# Altium PCB PCB_Kasli.PCBDOC (part 14 of 16)
Units mm, origin at the board's own origin, x right, y up, seen from the top; angles counter-clockwise.
Board outline 200.3 x 100 mm, 6 copper layers (TopLayer, MidLayer1, MidLayer2, SignalLayer1, Internal Plane 1, BottomLayer), stack 1.528 mm thick; 775 components, 636 nets, 3136 pads, 1724 vias.
Unrouted connection lines stored in the file: 7.
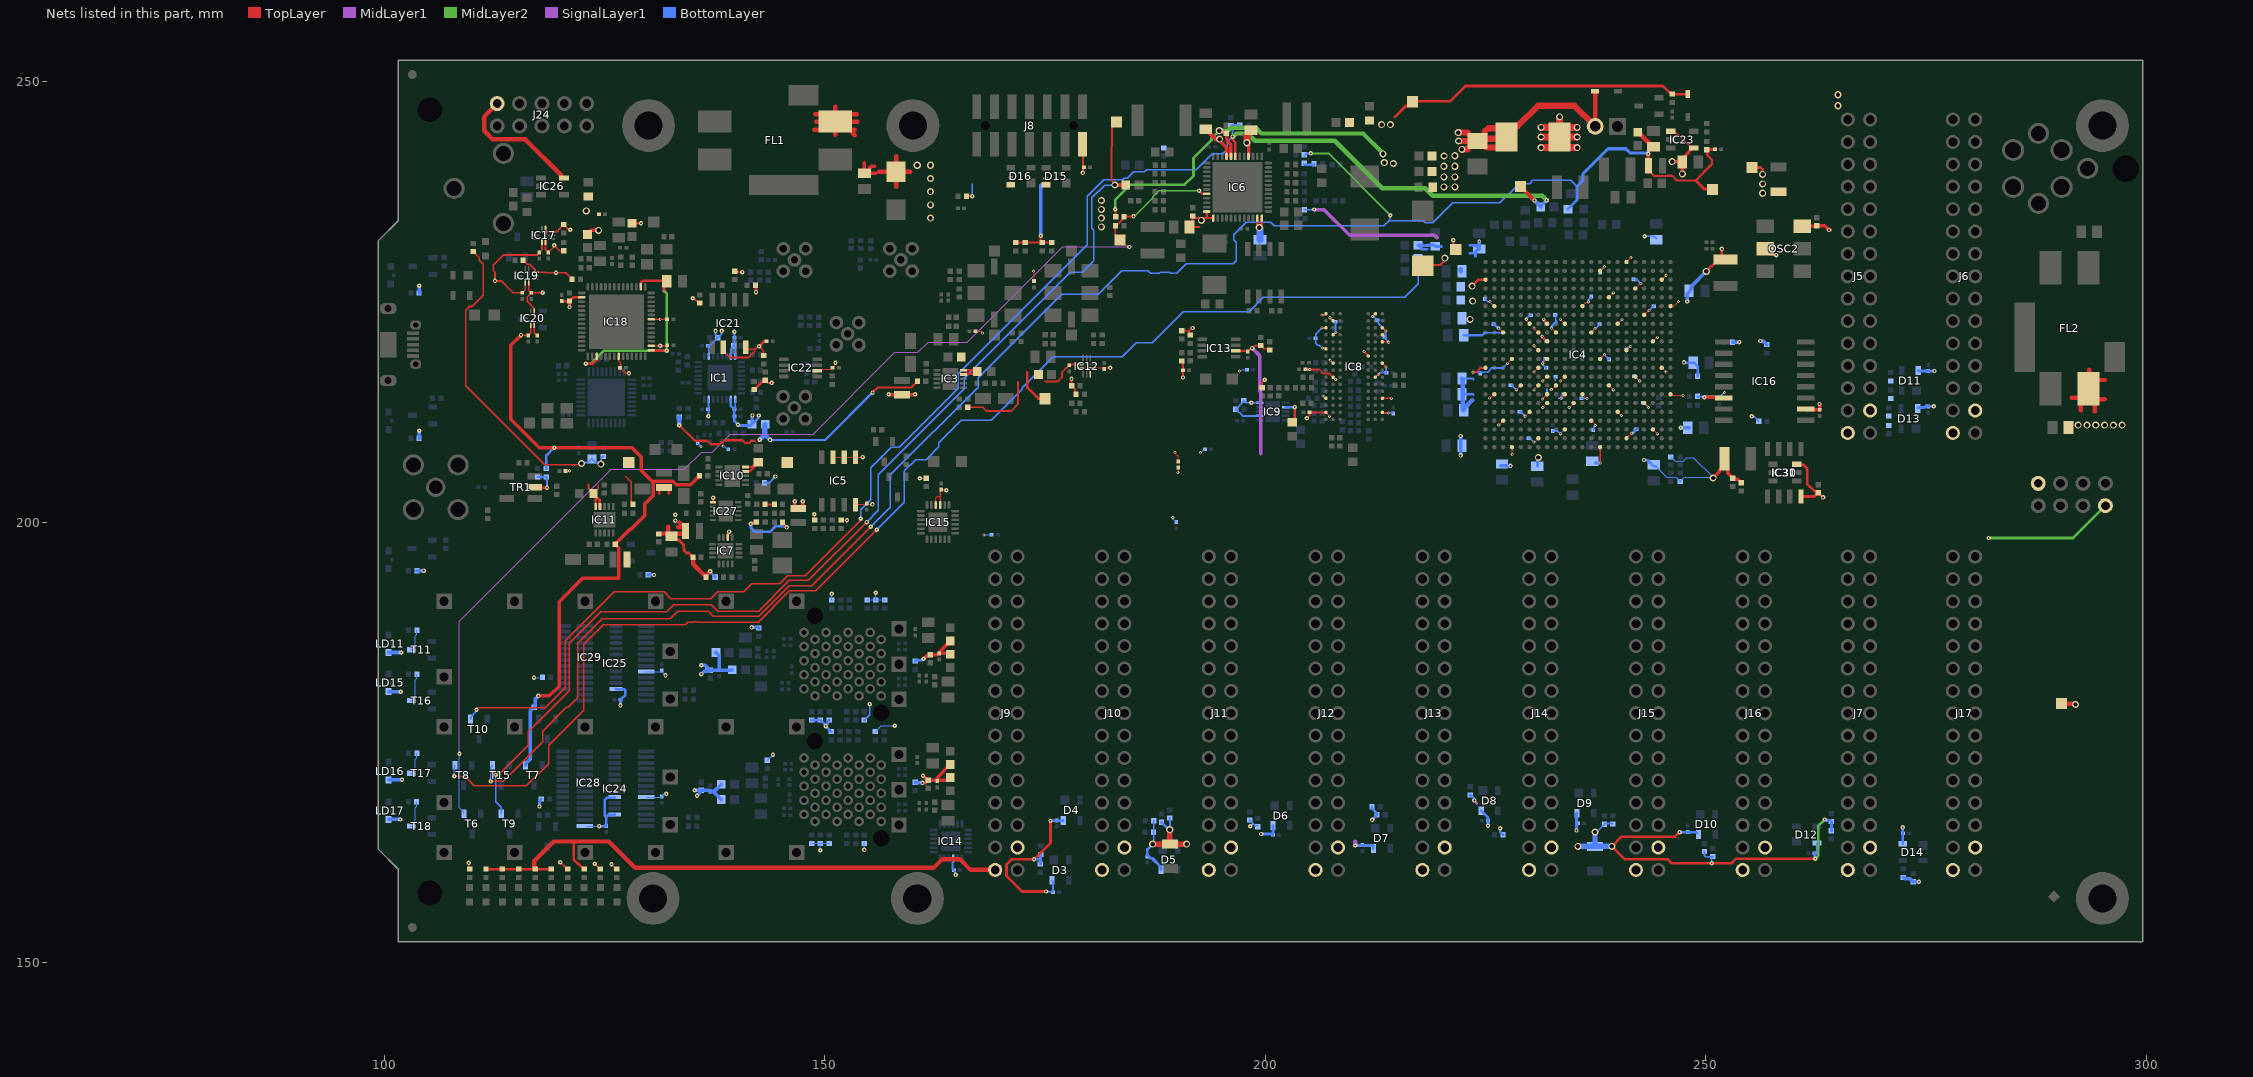
[diagram p18: the nets of this part, all layers, seen from the top]

## Via types
v1: diameter 0.5, hole 0.2, TopLayer to BottomLayer, tented both sides, 845 vias
v2: diameter 0.35, hole 0.15, TopLayer to BottomLayer, tented both sides, 612 vias
v3: diameter 0.8, hole 0.5, TopLayer to BottomLayer, tented both sides, 144 vias
v4: diameter 0.8, hole 0.5, TopLayer to BottomLayer, 66 vias
v5: diameter 0.5, hole 0.2, TopLayer to BottomLayer, 57 vias

## Nets (pads, with @x,y where several pads share a name; then routed paths per layer and width w, separated by ;. In a path a pad name is that pad's centre, name@x,y a point inside that pad or via, vN(x,y) a via of type N, cw(c..) or ccw(c..) an arc to the next point about the centre after c; other vN are vias at no path point) (continued)
NetR70_2: R70.2 R71.1 | length 1.1
  BottomLayer w0.3: R71.1@204.432,240.538 204.469,240.575 205.487,240.575 R70.2@205.524,240.538
NetR139_2: R139.2 R154.1 TR1.2 | length 3.6
  TopLayer w0.3: TR1.2@117.147,203.91 v1(118.481,203.91) v1@118.515,203.91
  BottomLayer w0.2: R154.1@117.4,205.13 R139.2@118.4,205.13 118.481,205.049 v1(118.481,203.91)
NetR142_1: R142.1 T16.3 | length 3.4
  BottomLayer w0.125: T16.3@103.1,179.75 103.3,179.75 103.537,179.987 103.537,182.07 103.72,182.253 R142.1@103.72,182.75
NetR143_1: R143.1 T11.3 | length 2.6
  BottomLayer w0.125: T11.3@103.1,185.5 103.3,185.5 103.537,185.737 103.537,187.07 103.72,187.253 R143.1@103.72,187.75
NetR216_1: R216.1 T17.3 | length 2.6
  BottomLayer w0.125: T17.3@103.1,171.5 103.3,171.5 103.537,171.737 103.537,173.07 103.72,173.253 R216.1@103.72,173.75
NetR220_1: R220.1 T18.3 | length 3.1
  BottomLayer w0.125: T18.3@103.1,165.5 103.3,165.5 103.537,165.737 103.537,167.6 103.69,167.752 R220.1@103.69,168.25
NetR238_2: R238.2 R239.1 | length 1.1
  TopLayer w0.2: R239.1@143.22,202 R238.2@144.28,202
P1V0: C91.1 C92.2 C93.2 C94.2 C95.2 C96.2 C102.2 C103.2 C104.2 C105.2 C106.2 C107.2 C108.2 C109.2 C110.2 C141.2 IC4.H8 IC4.H10 IC4.J7 IC4.J9 IC4.K8 IC4.L7 IC4.M8 IC4.N7 IC4.P8 IC4.P10 IC4.R7 IC4.R9 IC4.T8 IC4.T10 L11.2 L12.2 L28.2 R61.1 T8.1 TP9.1 | length 208.3
  TopLayer w0.125: v2(230.491,215.015) IC4.R7@230.991,215.515 ; v2(230.491,217.015) IC4.N7@230.991,217.515 ; v2(230.491,220.015) IC4.L7@230.991,219.515 ; v2(230.491,222.015) IC4.J7@230.991,221.515 ; v2(231.491,216.015) IC4.P8@231.991,216.515 ; v2(231.491,218.015) IC4.M8@231.991,218.515 ; v2(232.455,215.035) 232.512,215.035 IC4.R9@232.991,215.515 ; v2(232.491,222.015) IC4.J9@232.991,221.515 ; v2(233.491,216.015) IC4.P10@233.991,216.515 ; v2(233.491,223.015) IC4.H10@233.991,222.515
  TopLayer w0.15: v1(107.95,171.15) 109.15,171.15 110.225,170.075 116.125,170.075 118.65,172.6 118.65,174.673 122.625,178.648 122.625,186.115 124.885,188.375 134.15,188.375 134.425,188.65 135.003,188.65 135.053,188.7 135.447,188.7 135.497,188.65 142.448,188.65 145.998,192.2 148.975,192.2 v1(155.9,199.125)
  TopLayer w0.2: v2(231.444,213.968) IC4.T8@231.991,214.515 ; v2(233.544,214.015) 233.544,214.068 IC4.T10@233.991,214.515
  TopLayer w0.25: C91.1@217.869,229.1 217.944,229.175 219.844,229.175 220.619,229.95 v3(220.369,229.95) ; TP9.1@221.344,230.675 v1(221.344,231.975)
  TopLayer w0.3: v2(231.419,221.087) IC4.K8@231.991,220.515 ; v2@231.569,222.975 v2(231.605,223.011) 231.605,222.901 IC4.H8@231.991,222.515
  MidLayer1 w0.4: v1(205.55,235.475) 206.65,235.475 209.575,232.55 219.2,232.55 219.5,232.25
  BottomLayer w0.15: v1(107.95,171.15) 107.95,172.3 T8.1@108.05,172.4 ; v1(155.9,199.125) 159.038,202.263 159.038,205.838 160.301,207.101 161.499,207.101 162.95,208.553 162.95,209.025 165.475,211.55 168.914,211.55 172.42,215.055 172.42,215.27 175.925,218.775 183.747,218.775 185.347,220.375 187.172,220.375 190.697,223.9 198.15,223.9 199.75,225.5 215.81,225.5 217.369,227.059 L28.2@217.369,228.475 ; 232.626,222.388 232.653,222.415 232.944,222.707 232.944,223.43 C104.2@232.871,223.504 ; C103.2@232.919,216.493 232.919,216.024 232.929,216.015 ; 233.244,214.075 233.544,214.075 233.619,214.075 233.769,214.225 233.769,214.125 233.719,214.075
  BottomLayer w0.2: R61.1@204.432,235.458 v1@205.533,235.458 ; 225.019,221.5 225.828,221.5 ; 226.019,221.5 227.019,221.5 ; v2(231.605,223.011) 231.605,222.789 C95.2@231.894,222.5 ; C105.2@231.819,218.518 231.491,218.19 v2(231.491,218.015) 231.491,217.878 C106.2@231.869,217.5 ; C108.2@231.969,214.5 231.969,215.05 ; v2(233.544,214.015) 233.544,214.075 233.544,214.2 C107.2@233.844,214.5
  BottomLayer w0.25: L28.2@217.319,228.475 217.794,228.95 218.619,228.95 ; L11.2@217.319,229.95 217.819,229.45 218.369,229.45 ; C92.2@222.315,214.512 222.417,214.512 223.557,214.512 223.619,214.45 ; C110.2@222.315,216.29 223.529,216.29 223.619,216.2 ; C93.2@222.519,221.2 224.619,221.2 224.869,221.45
  BottomLayer w0.3: L12.2@217.319,231.425 217.369,231.375 217.794,230.95 218.369,230.95 ; 223.225,230.5 223.625,230.5 224.111,230.986 C109.2@224.236,230.986 ; 223.225,231.425 223.56,231.425 223.624,231.361 223.911,231.361 C109.2@224.286,230.986 C109.2@224.236,230.986 ; 223.85,230.175 223.861,230.186 223.861,230.611 C109.2@224.236,230.986 ; v2(232.491,222.015) 232.491,222.217 233.034,222.76
  BottomLayer w0.35: L28.2@217.319,228.475 217.369,228.475 218.044,228.475 ; L11.2@217.319,229.95 218.094,229.95 ; L12.2@217.319,231.425 217.881,231.425 ; L12.2@217.369,231.375 218.458,231.375 218.508,231.425 219.169,231.425 C141.2@219.294,231.3 220.019,231.3 ; C96.2@230.869,206.35 230.869,207.224 v3(230.98,207.335)
  BottomLayer w0.4: C109.2@224.286,230.986 v2(224.286,231.886)
  BottomLayer w0.5: C110.2@222.315,216.29 222.417,216.188 222.417,214.512 222.417,212.802 C94.2@222.519,212.7 222.519,212.875 223.469,213.825
P1V2: C158.2 IC6.7 L18.1 R92.2 T10.1 TP11.1 | length 174.2
  TopLayer w0.15: v1(110.475,178.7) 110.7,178.925 118.275,178.925 120.55,181.2 120.55,186.55 126.105,192.105 131.768,192.105 132.548,191.325 137.052,191.325 137.832,192.105 140.815,192.105 141.71,193 144.9,193 145.8,193.9 147.797,193.9 154.1,200.203 v1(154.1,200.375)
  TopLayer w0.3: v1(196.29,243.75) 196.29,243.407 196.6,243.097 IC6.7@196.6,241.498
  TopLayer w0.4: TP11.1@228.96,238.09 v1(230.55,236.5)
  MidLayer2 w0.5: v1(196.29,243.75) 196.375,243.75 196.725,244.1 197.981,244.1 198.806,243.275 207.875,243.275 213.275,237.875 218.15,237.875 219,237.025 230.025,237.025 ; v1(230.55,236.5) 230.025,237.025 ; v1(231.925,236.525) 231.425,237.025 230.025,237.025
  BottomLayer w0.15: T10.1@109.8,177.65 109.8,177.85 110.408,178.458 110.408,178.633 v1(110.475,178.7) ; v1(154.1,200.375) 154.1,201.374 155.25,202.524 155.25,206.172 157.553,208.475 158.404,208.475 158.425,208.453 165.175,215.203 165.175,216.85 179.775,231.45 179.775,237 181.652,238.877 183.805,238.877 183.928,239 184.322,239 185.072,239.75 186.284,239.75 186.531,239.997 192.155,239.997 193.966,241.808 194.745,241.808 194.753,241.8 195.147,241.8 195.685,242.338 195.685,243.145 v1(196.29,243.75)
  BottomLayer w0.2: v1(196.29,243.75) 196.29,244.626 196.25,244.666 196.342,244.758 C158.2@196.1,245 196.172,245.072 R92.2@197.104,245.072
  BottomLayer w0.4: v1(230.55,236.5) L18.1@231.25,235.8 ; L18.1@231.25,235.75 L18.1@231.25,235.8 ; v1(231.925,236.525) 231.25,235.85 L18.1@231.25,235.8
P1V5: C60.2 C64.2 C81.2 C82.2 C83.2 C84.2 C85.2 C164.2 C165.2 C166.2 C167.2 C168.2 C169.2 C170.2 C171.2 C176.2 C240.2 IC4.C1 IC4.F2 IC4.H6 IC4.J3 IC4.M4 IC4.N1 IC8.A1 IC8.A8 IC8.B2 IC8.C1 IC8.C9 IC8.D2 IC8.D9 IC8.E9 IC8.F1 IC8.G7 IC8.H2 IC8.H9 IC8.K2 IC8.K8 IC8.N1 IC8.N9 IC8.R1 IC8.R9 IC9.2 L17.2 R128.1 T9.1 TP10.1 | length 167.7
  TopLayer w0.125: v2(225.491,225.015) IC4.F2@225.991,224.515 ; v2(226.491,222.015) IC4.J3@226.991,221.515 ; v2(227.491,218.015) IC4.M4@227.991,218.515 ; v2(229.619,223.025) 229.619,222.925 229.991,222.553 IC4.H6@229.991,222.515
  TopLayer w0.15: v1(112.675,171.325) 113.021,171.325 116.375,174.679 116.375,176.225 121.025,180.875 121.025,186.225 124.6,189.8 132.05,189.8 132.85,190.6 137.137,190.6 137.832,189.905 142.505,189.905 146,193.4 148.15,193.4 v1(154.75,200)
  TopLayer w0.2: R128.1@199.644,215.245 199.644,215.85 v1(199.944,216.15) ; C168.2@204.544,217.325 v2(205.044,217.325) 206.094,217.325 206.569,216.85 207.285,216.85 IC8.K2@207.686,216.449 207.935,216.2 v2(207.993,216.2) ; v1(204.719,211.775) 205.019,212.075 C167.2@205.019,212.45 IC8.R1@206.885,212.45 ; v2(206.429,223.491) 206.728,223.491 IC8.A1@206.886,223.649 ; v2(206.436,222.049) IC8.C1@206.886,222.049 ; v2(206.48,219.758) 206.52,219.758 206.591,219.687 206.848,219.687 IC8.F1@206.886,219.649 ; v2(206.529,214.31) 206.538,214.301 206.608,214.301 206.859,214.049 IC8.N1@206.886,214.049 ; IC8.R1@206.886,212.449 207.29,212.045 v2(207.29,211.995) ; v2(207.344,223.191) IC8.B2@207.686,222.849 ; v2(207.36,218.375) IC8.H2@207.686,218.049 ; IC8.D2@207.686,221.249 207.743,221.249 v2@208.032,221.538 ; v2(211.224,219.369) 211.224,219.34 211.686,218.878 IC8.G7@211.686,218.849 ; v2(212.162,223.325) IC8.A8@212.486,223.649 ; IC8.K8@212.486,216.449 v2@212.798,216.76 ; IC8.R9@213.286,212.449 213.35,212.385 v2(214.004,212.385) v2@214.03,212.385 ; IC8.N9@213.286,214.049 v2(214.32,214.049) ; IC8.H9@213.286,218.049 213.286,218.041 213.694,217.633 v2(213.694,217.625) ; IC8.D9@213.286,221.293 213.308,221.293 213.679,221.664 v2(213.679,221.686) 213.664,221.686 213.301,222.049 IC8.C9@213.286,222.049 ; IC8.E9@213.384,220.475 213.786,220.475 213.822,220.439 213.976,220.439 v2(214.004,220.411) ; v2(223.574,217.011) 223.583,217.02 223.956,217.02 224.413,217.477 224.953,217.477 IC4.N1@224.991,217.515
  TopLayer w0.25: v3(182.927,238.252) 182.927,238.401 182.533,238.795 182.533,242.558 182.59,242.615 182.59,244.89 TP10.1@183.1,245.4
  TopLayer w0.3: C176.2@203.069,211.35 203.344,211.625 v1(203.344,213.05) ; v2@212.798,216.76 v2(212.829,216.76) ; v3(223.469,226.775) 224.209,227.515 IC4.C1@224.991,227.515
  TopLayer w0.5: v3(182.927,238.252) L17.2@184.162,238.252
  BottomLayer w0.15: v1(112.675,171.325) 112.675,168.25 113.3,167.625 T9.1@113.3,166.9 ; v1(154.75,200) 156.1,201.35 156.1,205.372 165.85,215.122 165.85,216.322 177.878,228.35 179.222,228.35 180.525,229.653 180.525,233.139 180.325,233.339 180.325,236.825 181.752,238.252 v3(182.927,238.252)
  BottomLayer w0.2: v2(206.436,222.049) 205.719,221.332 C169.2@205.719,220.85 205.719,220.3 205.95,220.07 206.127,220.07 206.439,219.758 v2(206.48,219.758) ; v2(207.344,223.191) 207.806,222.729 C164.2@207.958,222.729 207.958,221.612 v2(208.033,221.538) ; v2(212.162,223.325) 212.172,223.315 212.304,223.315 212.719,222.9 C166.2@212.744,222.9 212.769,222.9 212.819,222.85 212.819,222.545 v2(213.679,221.686) 213.679,221.672 213.654,221.647 213.654,220.774 214.011,220.417 214.029,220.399 214.018,220.411 v2(214.004,220.411) ; v2(212.829,216.76) 212.87,216.76 213.059,216.95 C170.2@213.744,216.95 213.719,216.975 213.719,217.6 v2(213.694,217.625) ; v2@214.019,212.4 C171.2@214.494,212.4 ; v2(223.574,217.011) 225.23,217.011 225.719,217.5 226.976,217.5 v2(227.491,218.015) ; C64.2@224.919,225.325 225.229,225.015 v2(225.491,225.015) ; v2(229.619,223.025) 229.619,223.075 230.019,223.475 C83.2@230.144,223.475
  BottomLayer w0.3: IC9.2@202.344,213.05 v1(203.344,213.05) ; C85.2@225.919,222.475 v2@226.389,222.005
  BottomLayer w0.5: C81.2@222.165,228.482 C81.2@222.165,228.729
  other v3: 223.243,222.999 223.53,225.086
P1V8: C231.2 C232.2 L4.1 L10.2 L26.1 R14.2 R69.2 T15.1 TP12.1 | length 210.1
  TopLayer w0.15: v1(112.1,170.575) 113.5,170.575 117.975,175.05 117.975,176.275 120.664,178.964 120.886,178.964 121.975,180.053 121.975,186.275 124.75,189.05 132.45,189.05 133.293,189.893 136.757,189.893 137.325,189.325 142.525,189.325 146,192.8 148.55,192.8 v1(155.225,199.475)
  TopLayer w0.25: L10.2@243.475,240.44 243.475,239.94 244.14,239.275 245.633,239.275 245.658,239.3 246.169,239.3 246.694,238.775 248.844,238.775 250.7,240.631 250.7,241.123 250.161,241.661 250.161,242.3 R14.2@250.117,242.256
  TopLayer w0.35: L10.2@243.475,240.44 cw(c243.506,240.471) 243.463,240.471 v1(243.463,241.786) cw(c244.229,241.786) 243.687,242.328 C231.2@243.976,242.594 ; 248.844,238.775 249.795,237.824 250.676,237.824 TP12.1@250.75,237.75 TP12.1@250.925,237.925 ; R14.2@250.161,242.3 C232.2@251.019,242.3
  TopLayer w0.5: L26.1@242.608,243.961 C231.2@243.976,242.594
  MidLayer2 w0.2: v1(205.147,241.842) 207.18,241.842 v1(214.185,234.836)
  BottomLayer w0.15: v1(112.1,170.575) 112.1,172.2 T15.1@112.3,172.4 ; v1(155.225,199.475) 157.425,201.675 157.425,205.353 167.4,215.328 167.4,216.357 176.918,225.875 181.05,225.875 183.725,228.55 186.663,228.55 186.988,228.225 187.967,228.225 188.117,228.375 189.097,228.375 189.247,228.225 189.925,228.225 191.025,229.325 196.37,229.325 196.725,229.68 196.725,231.753 196.425,232.053 196.425,232.625 197.851,234.051 200.599,234.051 201.037,233.613 213.463,233.613 214.075,234.225 217.914,234.225 218.139,234 219,234 221.25,236.25 226.619,236.25 228.794,238.425 229.989,238.425 230.364,238.8 234.669,238.8 235.317,238.153 235.422,238.153 235.45,238.125
  BottomLayer w0.2: R69.2@204.432,241.554 204.72,241.842 v1(205.147,241.842) ; 214.075,234.225 214.136,234.286 214.136,234.787 v1(214.185,234.836)
  BottomLayer w0.3: L4.1@234.344,235.5 234.344,235.527 235.369,236.552 235.369,237.55 235.369,238.1
  BottomLayer w0.35: 235.369,238.1 235.422,238.153 236.035,238.765 236.035,239.514 238.896,242.375 240.91,242.375 241.385,241.9 243.349,241.9 v1(243.463,241.786)
P1V8_USB: C206.2 IC18.2 IC18.31 IC18.43 | length 25
  TopLayer w0.3: v1(122.881,217.986) 123.686,217.986 124.115,218.415 IC18.31@124.115,218.808 ; IC18.2@129.115,226.708 129.115,227.159 129.328,227.372 132.027,227.372 132.119,227.28 132.119,226.943 131.75,226.574 v2(131.75,226.25) ; IC18.43@130.367,219.456 v1(132.08,219.456) ; C206.2@132.119,227.358 C206.2@132.141,227.358
  MidLayer2 w0.3: v1(122.881,217.986) 123.498,217.986 124.968,219.456 v1(132.08,219.456) 132.08,225.92 v2(131.75,226.25)
P2V5: C52.2 C54.2 C58.2 C61.2 C62.2 C63.2 C65.2 C66.2 C67.2 C68.2 C69.2 C70.2 C71.2 C72.2 C73.2 C74.2 C75.2 C76.2 C77.2 C78.2 C79.2 C80.2 C86.2 C87.2 C88.2 C89.2 C90.2 C136.2 C154.2 C193.2 C216.2 C217.2 C218.2 C229.2 C238.2 C292.1 C293.2 C307.2 D15.4 D16.4 D17.1 IC4.A17 IC4.AA7 IC4.AA17 IC4.AB4 IC4.AB14 IC4.B14 IC4.C21 IC4.D18 IC4.E15 IC4.F12 IC4.F22 IC4.G19 IC4.H16 IC4.J13 IC4.K20 IC4.L17 IC4.M14 IC4.N21 IC4.P18 IC4.R5 IC4.R15 IC4.T2 IC4.T12 IC4.T22 IC4.U8 IC4.U11 IC4.U19 IC4.V6 IC4.V16 IC4.W3 IC4.W13 IC4.Y10 IC4.Y20 IC6.8 IC13.2 IC16.14 IC17.6 IC19.6 IC20.6 IC30.6 IC31.8 J8.2 L9.2 OSC2.2 OSC2.6 R1.1 R34.2 R35.2 R41.2 R42.2 R50.2 R51.2 R52.1 R56.1 R57.2 R58.2 R78.1 R94.2 R95.2 R96.2 R139.1 R146.2 R147.2 R150.2 R210.1 R253.1 R264.2 R265.2 T7.1 TP8.1 TP32.1 | length 323.8
  TopLayer w0.095: v2(190.075,205.65) 190.1,205.675 C292.1@190.1,206.2
  TopLayer w0.125: D16.4@171.1,238.3 v1(171.1,239.1) ; D15.4@175.1,238.3 v1(175.1,239) ; v2(225.444,214.1) 225.576,214.1 IC4.T2@225.991,214.515 ; v2(226.491,211.015) IC4.W3@226.991,211.515 ; IC4.AB4@227.991,208.515 228.019,208.487 v2(228.019,207.65) ; v2(228.491,215.015) IC4.R5@228.991,215.515 ; v2(229.491,212.015) IC4.V6@229.991,212.515 ; v2(230.48,209.085) 230.561,209.085 IC4.AA7@230.991,209.515 ; v2(231.491,213.015) IC4.U8@231.991,213.515 ; v2(233.491,210.015) IC4.Y10@233.991,210.515 ; v2(234.491,213.015) IC4.U11@234.991,213.515 ; IC4.T12@235.991,214.515 236.496,214.01 v2(236.505,214.01) ; IC4.F12@235.991,224.515 236.44,224.963 236.626,224.963 v2(236.669,225.006) ; IC4.W13@236.991,211.515 237.48,211.026 v2(237.48,210.96) ; IC4.B14@237.991,228.515 238.462,228.986 v2(238.505,228.986) ; IC4.R15@238.991,215.515 v2(239.491,215.015) ; IC4.E15@238.991,225.515 v2(239.491,226.015) ; IC4.V16@239.991,212.515 240.396,212.11 v2(240.406,212.11) ; IC4.H16@239.991,222.515 v2(240.491,223.015) ; IC4.L17@240.991,219.515 241.025,219.515 241.435,219.925 v2(241.469,219.925) ; IC4.A17@240.991,229.515 v2(241.491,230.015) ; IC4.P18@241.991,216.515 v2(242.491,216.015) ; IC4.D18@241.991,226.515 242.546,227.07 v2(242.624,227.07) ; IC4.U19@242.991,213.515 v2(243.491,213.015) ; IC4.Y20@243.991,210.515 v2(244.491,210.015) ; IC4.K20@243.991,220.515 244.44,220.964 v2(244.504,220.964) ; IC4.N21@244.991,217.515 v2(245.491,217.015) ; IC4.C21@244.991,227.515 v2(245.491,228.015) ; IC4.T22@245.991,214.515 246.131,214.375 v2(247.419,214.375) ; IC4.F22@245.991,224.515 246.359,224.515 246.869,225.025 v2(246.882,225.025)
  TopLayer w0.2: v1(115.525,221.225) 115.547,221.203 C218.2@116.332,221.203 116.64,221.511 IC20.6@116.64,222.439 ; IC19.6@116.005,227.265 116.005,226.337 C216.2@115.697,226.029 114.615,226.029 113.269,227.375 v1(112.575,227.375) 112.575,228.368 112.375,228.568 112.375,229.15 113.525,230.3 117.301,230.3 C217.2@117.602,230.601 117.91,230.909 IC17.6@117.91,231.837 ; R58.2@166.07,236.975 166.095,237 v1(166.75,237) ; R35.2@171.7,231.72 R34.2@172.75,231.72 172.763,231.733 R41.2@174.525,231.733 ; v1(174.5,232.5) 174.5,231.91 174.69,231.72 R41.2@174.7,231.72 R50.2@175.75,231.72 ; J8.2@179.25,242.875 179.3,242.825 v1(179.3,239.625) ; v1(182.975,235.5) 183.001,235.474 183.001,234.703 R51.2@183.027,234.677 ; IC13.2@196.65,219.425 198.094,219.425 198.418,219.75 v1(198.5,219.75) 198.581,219.75 198.861,220.03 R146.2@199.5,220.03 199.52,220.03 199.89,219.66 200.37,219.66 R147.2@200.5,219.53 ; IC4.J13@236.991,221.515 v2(237.426,221.95) ; IC4.M14@237.991,218.515 238.009,218.515 v2(238.494,219) ; v2(238.002,206.714) IC4.AB14@238.002,208.505 ; IC4.AA17@240.991,209.515 240.991,209.519 241.561,210.088 v2(241.606,210.088) ; IC4.G19@242.991,223.515 243.491,224.015 v2(243.569,224.015)
  TopLayer w0.3: 214.725,246 215.94,247.215 216.215,247.215 TP8.1@216.7,247.7 216.75,247.75 220.967,247.75 222.705,249.488 245.125,249.488 245.903,248.71 R150.2@246.06,248.71 ; IC4.AB14@237.991,208.515 IC4.AB14@238.002,208.505 ; R150.2@246.2,248.57 D17.1@247.945,248.57 ; v3(250.044,228.45) 250.645,229.051 250.695,229.051 251.444,229.8 C58.2@252.219,229.8 251.819,230.2 v1(251.819,231) ; OSC2.2@256.721,231 OSC2.2@256.743,231.022 257.368,230.397 257.903,230.397 v1(258,230.3) ; IC30.6@260.325,206.575 260.406,206.494 261.106,206.494 261.5,206.1 261.5,204.35 262.34,203.51 262.59,203.51 C307.2@262.75,203.35 ; IC31.8@260.805,202.9 262.3,202.9 C307.2@262.75,203.35 ; v1(263.3,202.8) C307.2@262.75,203.35
  TopLayer w0.4: v1(115.525,221.225) 114.375,220.075 114.375,211.675 117.6,208.45 v1(119.3,208.45) 128.125,208.45 129.2,207.375 129.2,205.831 130.561,204.47 ; v1(117.5,180.275) 118.75,180.275 119.85,181.375 119.85,190.975 122.525,193.65 126.639,193.65 126.639,197.061 126.22,197.48 R56.1@126.22,197.5 126.22,197.52 127.893,199.193 128.017,199.193 129.6,200.776 129.6,202.1 130.561,203.061 130.561,204.47 ; R253.1@135.78,205.25 135.78,205.23 135.69,205.14 135.67,205.14 134.78,204.25 133.159,204.25 132.77,204.639 130.73,204.639 130.561,204.47 ; v3(194.775,244.425) 194.802,244.425 194.965,244.262 195.47,244.262 C154.2@195.58,244.152 ; C154.2@195.58,244.043 C154.2@195.689,244.043 ; C154.2@195.69,244.042 195.69,244.039 195.65,243.999 195.65,243.501 195.69,243.461 195.69,243.248 196.1,242.838 IC6.8@196.1,241.498 ; v1@249.86,214.131 v1(249.816,214.175) 251.628,214.175 IC16.14@251.672,214.131 ; v3(250.819,205) 251.526,205.707 251.526,205.851 252.1,206.425 C54.2@252.1,207.2 252.459,206.841 252.459,205.586 252.965,205.08 252.965,205.06 253.145,204.88 253.59,204.88 253.89,204.58 253.89,204.56 R265.2@253.98,204.47 ; OSC2.6@260.943,233.562 260.955,233.55 C238.2@262.869,233.55 ; C238.2@262.6,233.65 262.629,233.621 263.51,233.621 v1(263.981,233.15)
  MidLayer1 w0.4: v1(198.5,219.75) 199.344,218.905 199.344,214.906 199.5,214.75 199.5,207.75
  MidLayer2 w0.3: v1(182.975,235.5) 182.975,236.6 184.675,238.3 190.85,238.3 191.855,239.305 191.855,241.305 193.9,243.35 193.9,243.55 v3(194.775,244.425) ; v1(282.1,198.2) 291.68,198.2 TP32.1@295.34,201.86
  MidLayer2 w0.5: v3(194.775,244.425) 195.754,244.425 196.073,244.744 198.908,244.744 199.552,244.1 211.1,244.1 v3@213.18,242.02 ; v3@213.2,242.02 v3@213.18,242.02 ; v3@213.35,241.85 v3@213.18,242.02
  BottomLayer w0.095: v2(189.5,200.525) 189.549,200.476 189.549,200.326 189.697,200.177 189.723,200.177 189.875,200.025 C293.2@189.875,200
  BottomLayer w0.125: C66.2@244.284,206.35 245.571,205.064 246.643,205.064 R1.1@247.095,204.611 247.557,205.073 250.819,205.073 248.593,207.299 ; R210.1@246.029,207.408 246.519,206.917 247.425,206.917 247.831,207.324 248.593,207.324
  BottomLayer w0.2: v1(166.75,237) 166.75,238.4 ; C88.2@227.981,215.525 v2(228.491,215.015) ; C90.2@228.844,212.525 228.981,212.525 v2(229.491,212.015) ; C74.2@229.894,209.525 230.04,209.525 v2(230.48,209.085) ; C62.2@232.644,210.325 233.181,210.325 v2(233.491,210.015) ; C65.2@235.894,214.05 236.466,214.05 v2(236.505,214.01) ; v2(236.669,225.006) 236.669,225.2 C73.2@236.969,225.5 ; C63.2@237.244,210.425 237.244,210.724 v2(237.48,210.96) ; v2(237.426,221.95) 237.469,221.95 237.944,222.425 C69.2@237.944,222.475 ; C61.2@238.019,228.35 238.019,228.5 v2(238.505,228.986) ; v2(238.494,219) 239.019,218.475 C79.2@239.044,218.475 ; C70.2@240.969,219.6 241.294,219.925 v2(241.469,219.925) ; C68.2@241.794,227.55 242.143,227.55 v2(242.624,227.07) ; C78.2@241.844,216.55 241.956,216.55 v2(242.491,216.015) ; C75.2@242.844,213.525 242.981,213.525 v2(243.491,213.015) ; v1(243.044,232.45) 244.094,232.45 C71.2@244.394,232.15 ; v2(243.569,224.015) 244.044,224.49 C89.2@244.129,224.49 ; R42.2@249.063,214.258 251.483,214.258 251.566,214.175 v1(249.816,214.175) ; C229.2@251.519,214.1 251.519,214.125 252.051,214.657 252.109,214.657 v2(252.137,214.685) v2@252.137,214.713 ; v1(255.197,211.997) 255.464,211.997 R94.2@255.997,211.464